# Altium PCB A8_multiple.PcbDoc (part 9 of 10)
Units mm, origin at the board's own origin, x right, y up, seen from the top; angles counter-clockwise.
Board outline 140 x 140 mm, 2 copper layers (Top Layer, Bottom Layer); 80 components, 0 nets, 928 pads, 160 vias.
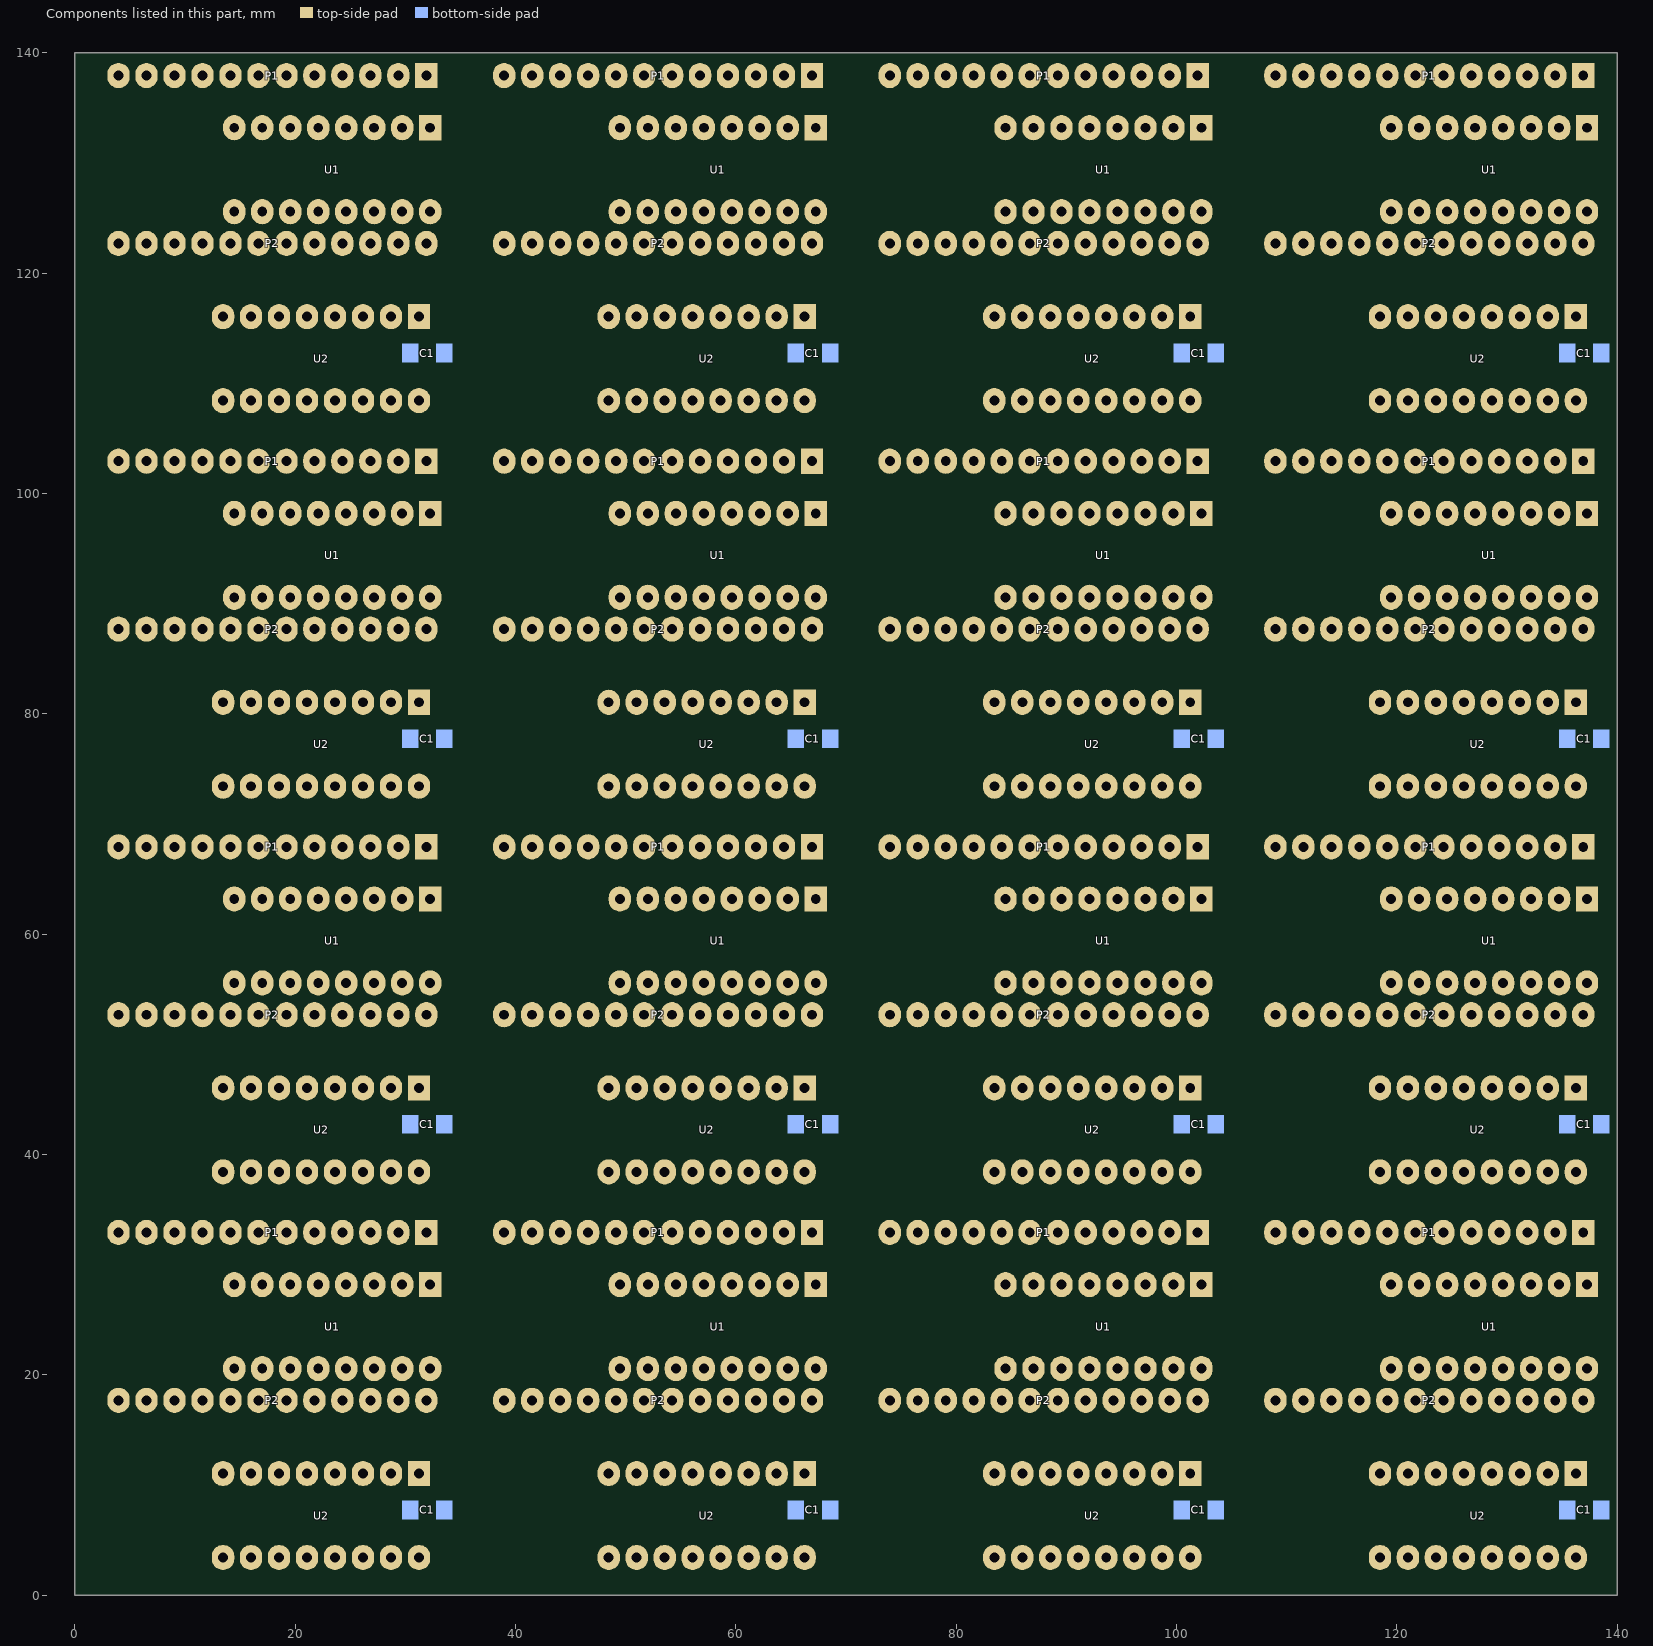
[diagram p9: the components of this part, seen from the top]

## Polygon pours and split planes (outlines as drawn) (continued)
no net on Bottom Layer "Top Layer-No Net 1" (solid, remove dead copper, pour order 20): 112.518,52.653 112.518,53.72 111.401,54.837 111.274,54.964 111.274,56.387 111.274,56.869 112.137,57.733 111.985,57.885 111.883,57.885 111.604,57.885 110.486,56.768 110.512,56.742 110.512,52.729
no net on Bottom Layer "Top Layer-No Net 1" (solid, remove dead copper, pour order 18): 111.299,58.165 111.655,58.52 114.296,58.52 114.296,58.901 113.712,59.486 113.433,59.765 111.68,59.765 111.68,59.587 111.096,59.003
no net on Bottom Layer "Top Layer-No Net 1" (solid, remove dead copper, pour order 16): 23 vertices, not listed, extent 108.226,57.301 110.664,64.845
no net on Bottom Layer "Top Layer-No Net 1" (solid, remove dead copper, pour order 14): 24 vertices, not listed, extent 105.686,57.123 109.978,69.061
no net on Bottom Layer "Top Layer-No Net 1" (solid, remove dead copper, pour order 12): 26 vertices, not listed, extent 110.512,57.276 116.252,67.944
no net on Bottom Layer "Top Layer-No Net 1" (solid, remove dead copper, pour order 10): 19 vertices, not listed, extent 112.264,60.756 114.855,68.172
no net on Bottom Layer "Top Layer-No Net 1" (solid, remove dead copper, pour order 8): 26 vertices, not listed, extent 118.411,62.076 126.311,66.344
no net on Bottom Layer "Top Layer-No Net 1" (solid, remove dead copper, pour order 6): 18 vertices, not listed, extent 133.702,63.829 138.122,67.969
no net on Bottom Layer "Top Layer-No Net 1" (solid, remove dead copper, pour order 4): 131.213,62.94 131.213,62.127 132.457,60.883 132.483,60.857 134.54,60.857 134.54,61.238 134.489,61.289 133.804,61.289 133.321,61.772 133.169,61.924 133.169,63.245 131.772,63.245 131.619,63.397
no net on Bottom Layer "Top Layer-No Net 1" (solid, remove dead copper, pour order 2): 126.946,66.267 126.057,67.156 126.057,67.918 127.657,67.918 127.758,68.02 127.758,64.489 127.835,64.413 128.114,64.134 128.114,63.143 127.581,63.143 126.971,63.753 126.844,63.88 126.844,64.997 126.844,65.15 127.022,65.328
no net on Bottom Layer "Top Layer-No Net 1" (solid, pour order 116): 70.686,42.417 70.686,55.549 70.914,55.777 70.965,55.726 70.965,54.71 70.965,41.782 71.092,41.655
no net on Bottom Layer "Top Layer-No Net 1" (solid, pour order 114): 77.442,35.686 76.731,35.686 75.817,36.6 70.686,41.731 70.686,42.417 71.041,42.417 72.235,41.223 77.493,35.965 77.645,35.965
no net on Bottom Layer "Top Layer-No Net 1" (solid, pour order 112): 91.082,63.143 91.082,63.829 91.641,64.388 91.819,64.566 91.819,64.794 91.819,66.953 91.539,67.233 92.504,66.267 92.504,65.836 92.581,65.759 92.581,63.143
no net on Bottom Layer "Top Layer-No Net 1" (solid, pour order 110): 88.136,66.191 88.72,66.191 88.999,66.471 89.736,67.207 89.736,67.283 89.609,67.283 88.974,67.918 88.263,67.207 88.263,66.623 88.263,66.572 88.009,66.318
no net on Bottom Layer "Top Layer-No Net 1" (solid, pour order 108): 84.554,66.09 85.011,66.09 85.596,66.674 85.672,66.75 85.672,67.969 87.678,67.969 87.678,67.36 87.196,66.877 86.104,65.785 85.85,65.785
no net on Bottom Layer "Top Layer-No Net 1" (solid, pour order 106): 83.487,66.674 84.427,66.674 84.859,67.106 84.554,67.41 83.919,67.41 83.589,67.41 83.462,67.283
no net on Bottom Layer "Top Layer-No Net 1" (solid, pour order 104): 80.287,65.023 82.344,67.08 82.344,67.41 81.989,67.41 81.595,67.804 80.592,66.801 80.592,66.115 80.592,66.039 80.135,65.582 80.084,65.531 80.084,65.023
no net on Bottom Layer "Top Layer-No Net 1" (solid, pour order 102): 97.686,38.404 97.686,41.248 96.238,42.696 96.111,42.823 96.111,43.077 96.67,43.077 98.905,40.842 99.718,40.029 99.718,38.378
no net on Bottom Layer "Top Layer-No Net 1" (solid, pour order 100): 95.171,38.429 95.171,41.147 94.663,41.655 94.181,42.137 94.181,42.315 95.4,42.315 96.695,41.02 97.178,40.537 97.178,38.378
no net on Bottom Layer "Top Layer-No Net 1" (solid, pour order 98): 92.631,38.48 92.631,40.334 91.717,41.248 92.022,41.553 92.2,41.553 92.86,41.553 93.597,41.553 94.333,40.817 94.638,40.512 94.638,38.429
no net on Bottom Layer "Top Layer-No Net 1" (solid, pour order 96): 20 vertices, not listed, extent 83.386,38.454 92.098,41.274
no net on Bottom Layer "Top Layer-No Net 1" (solid, pour order 94): 100.353,41.909 98.753,41.909 96.848,43.814 97.229,44.195 97.457,44.195 99.083,44.195 99.87,43.407 100.099,43.179 100.48,43.179
no net on Bottom Layer "Top Layer-No Net 1" (solid, pour order 92): 33 vertices, not listed, extent 100.226,36.676 104.138,57.657
no net on Bottom Layer "Top Layer-No Net 1" (solid, pour order 90): 100.226,46.074 100.226,48.64 99.82,49.046 98.702,50.164 98.702,50.748 98.702,51.332 98.55,51.485 98.346,51.688 98.346,52.729 100.378,52.729 100.378,50.977 101.115,50.24 102.258,49.097 102.258,45.414
no net on Bottom Layer "Top Layer-No Net 1" (solid, pour order 88): 97.737,51.18 98.118,50.799 98.118,50.392 98.118,49.707 98.473,49.351 97.838,49.986 97.559,49.986
no net on Bottom Layer "Top Layer-No Net 1" (solid, pour order 86): 97.686,45.998 97.686,49.529 97.356,49.859 97.33,49.884 97.33,50.469 95.832,51.967 95.832,52.729 97.838,52.729 97.838,50.215 98.931,49.122 99.718,48.335 99.718,46.024
no net on Bottom Layer "Top Layer-No Net 1" (solid, pour order 84): 95.146,46.049 95.146,47.878 94.968,48.056 94.46,48.564 94.46,50.037 94.46,50.215 95.298,51.053 96.111,51.053 96.441,50.723 96.873,50.291 96.873,50.265 96.873,49.757 97.076,49.554 97.178,49.453 97.178,46.074
no net on Bottom Layer "Top Layer-No Net 1" (solid, pour order 82): 17 vertices, not listed, extent 92.606,45.998 95.324,53.415
no net on Bottom Layer "Top Layer-No Net 1" (solid, pour order 80): 90.752,52.678 90.752,49.91 90.853,49.808 90.955,49.707 90.955,48.36 90.955,47.878 90.472,47.395 90.066,46.989 90.066,45.998 92.098,45.998 92.098,50.469 92.631,51.002 92.758,51.129 92.758,52.729
no net on Bottom Layer "Top Layer-No Net 1" (solid, pour order 78): 28 vertices, not listed, extent 82.446,43.611 90.549,49.681
no net on Bottom Layer "Top Layer-No Net 1" (solid, pour order 76): 87.272,50.519 88.212,51.459 88.212,52.577 90.041,52.577 90.218,52.755 90.218,51.256 89.406,50.443 89.075,50.113 88.161,50.113 87.729,50.113 87.196,49.58 86.383,48.767 85.85,48.767 85.85,48.995 85.799,49.046
no net on Bottom Layer "Top Layer-No Net 1" (solid, pour order 74): 85.672,52.704 85.672,51.078 85.215,50.621 84.605,50.011 84.605,49.656 85.494,49.656 87.196,51.358 87.678,51.84 87.678,52.78
no net on Bottom Layer "Top Layer-No Net 1" (solid, pour order 72): 82.446,50.646 83.132,51.332 83.132,52.805 85.113,52.805 85.138,52.78 85.138,51.383 84.961,51.205 84.173,50.418 82.598,50.418
no net on Bottom Layer "Top Layer-No Net 1" (solid, pour order 70): 82.598,52.729 82.598,51.383 81.582,50.367 81.151,49.935 80.668,49.935 80.643,49.961 80.643,52.78
no net on Bottom Layer "Top Layer-No Net 1" (solid, pour order 68): 83.462,37.311 82.522,37.311 80.998,38.835 76.909,42.925 76.909,43.306 76.985,43.23 77.823,43.23 78.687,43.23 79.22,42.696 81.354,40.563 82.776,40.563 83.36,40.563 84.199,39.724 84.478,39.445 84.478,38.429
no net on Bottom Layer "Top Layer-No Net 1" (solid, pour order 66): 78.687,36.524 78.001,36.524 77.874,36.651 72.057,42.468 72.057,43.128 74.191,40.994 78.407,36.778 78.788,36.778
no net on Bottom Layer "Top Layer-No Net 1" (solid, pour order 64): 84.986,38.404 84.986,37.438 84.3,36.753 84.605,36.448 85.265,36.448 86.104,36.448 86.535,36.88 87.018,37.362 87.018,38.454
no net on Bottom Layer "Top Layer-No Net 1" (solid, pour order 62): 87.526,38.454 87.526,36.829 86.942,36.245 86.688,35.991 86.332,35.991 86.332,35.965 86.612,35.686 88.263,35.686 89.482,36.905 89.558,36.981 89.558,38.454
no net on Bottom Layer "Top Layer-No Net 1" (solid, pour order 60): 70.686,54.152 70.686,55.701 71.422,56.438 72.819,56.438 73.48,57.098 73.556,57.022 73.556,56.869
no net on Bottom Layer "Top Layer-No Net 1" (solid, pour order 58): 73.433,45.033 73.785,45.033 74.115,45.363 73.734,45.744 73.734,45.77 73.404,45.77 73.099,45.465
no net on Bottom Layer "Top Layer-No Net 1" (solid, remove dead copper, pour order 56): 17 vertices, not listed, extent 72.616,45.033 74.928,55.549
no net on Bottom Layer "Top Layer-No Net 1" (solid, remove dead copper, pour order 54): 78.484,47.649 78.484,44.169 77.976,43.661 77.569,43.661 76.96,44.271 75.715,45.516 75.715,48.208 78.484,48.208
no net on Bottom Layer "Top Layer-No Net 1" (solid, remove dead copper, pour order 52): 24 vertices, not listed, extent 75.715,46.836 80.058,57.047
no net on Bottom Layer "Top Layer-No Net 1" (solid, remove dead copper, pour order 50): 96.721,65.886 97.432,65.175 97.889,65.175 97.94,65.175 98.575,64.54 98.778,64.743 99.337,64.743 99.337,64.947 97.737,66.547 97.711,66.521 96.594,66.521
no net on Bottom Layer "Top Layer-No Net 1" (solid, remove dead copper, pour order 48): 97.991,65.886 96.721,65.886 96.238,66.369 95.832,66.775 95.832,67.868 97.508,67.868 97.711,68.071 97.737,68.045 97.737,66.547 97.737,66.344 98.169,65.912
no net on Bottom Layer "Top Layer-No Net 1" (solid, remove dead copper, pour order 46): 95.654,63.194 95.654,65.886 95.324,66.217 95.298,66.242 95.298,67.868 93.393,67.868 93.317,67.944 93.317,64.997 93.597,64.718 93.622,64.693 93.622,63.169
no net on Bottom Layer "Top Layer-No Net 1" (solid, remove dead copper, pour order 44): 101.267,69.061 102.918,69.061 104.315,67.664 104.315,64.388 104.163,64.388 103.96,64.591 101.267,67.283 101.242,67.283
no net on Bottom Layer "Top Layer-No Net 1" (solid, remove dead copper, pour order 42): 75.512,66.852 75.512,65.378 76.045,64.845 76.426,64.464 76.426,66.09 76.579,66.242 76.655,66.318 76.655,67.283 75.715,67.283 75.512,67.487
no net on Bottom Layer "Top Layer-No Net 1" (solid, pour order 40): 74.978,66.572 74.978,65.734 74.724,65.48 74.623,65.378 73.505,65.378 73.505,66.318 73.962,66.775
no net on Bottom Layer "Top Layer-No Net 1" (solid, remove dead copper, pour order 38): 98.727,55.498 98.727,57.86 98.169,58.419 96.568,60.019 96.568,60.375 96.975,59.968 98.499,59.968 98.778,59.968 99.87,58.876 100.709,58.038 100.709,55.498
no net on Bottom Layer "Top Layer-No Net 1" (solid, remove dead copper, pour order 36): 96.162,55.523 96.162,58.52 94.994,59.689 94.257,60.425 94.028,60.425 94.028,60.679 94.079,60.73 94.968,60.73 96.899,58.8 98.194,57.504 98.194,55.447
no net on Bottom Layer "Top Layer-No Net 1" (solid, remove dead copper, pour order 34): 93.622,55.549 93.622,58.546 92.885,59.282 92.504,59.663 92.2,59.663 92.301,59.663 92.606,59.968 93.698,59.968 94.689,58.978 95.654,58.012 95.654,55.549
no net on Bottom Layer "Top Layer-No Net 1" (solid, remove dead copper, pour order 32): 91.082,55.549 91.082,58.089 90.32,58.851 90.269,58.901 90.269,59.206 91.869,59.206 92.835,58.241 93.114,57.962 93.114,55.625
no net on Bottom Layer "Top Layer-No Net 1" (solid, remove dead copper, pour order 30): 88.542,55.523 88.542,57.301 88.034,57.809 87.577,58.266 87.272,58.266 87.348,58.266 87.526,58.444 89.609,58.444 90.142,57.911 90.574,57.479 90.574,55.599
no net on Bottom Layer "Top Layer-No Net 1" (solid, remove dead copper, pour order 28): 86.027,55.599 86.027,56.692 85.367,57.352 85.672,57.657 85.697,57.657 86.993,57.657 87.678,56.971 88.034,56.615 88.034,55.701
no net on Bottom Layer "Top Layer-No Net 1" (solid, remove dead copper, pour order 26): 84.605,54.456 83.64,54.456 83.03,55.066 82.7,55.396 81.659,55.396 81.074,55.396 79.804,56.666 79.931,56.793 84.3,56.793 84.808,56.793 85.215,56.387 85.088,56.26 85.088,55.218
no net on Bottom Layer "Top Layer-No Net 1" (solid, remove dead copper, pour order 24): 75.842,49.199 75.766,49.122 75.486,49.122 75.512,49.148 75.512,50.011 76.299,50.011 76.553,50.265
no net on Bottom Layer "Top Layer-No Net 1" (solid, remove dead copper, pour order 22): 77.518,52.836 77.518,50.748 76.477,49.707 76.375,49.605 75.817,49.605 75.664,49.453 75.207,48.995 75.207,48.97 75.512,49.275 75.512,50.342 75.512,52.602 75.867,52.958
no net on Bottom Layer "Top Layer-No Net 1" (solid, remove dead copper, pour order 20): 77.518,52.653 77.518,53.72 76.401,54.837 76.274,54.964 76.274,56.387 76.274,56.869 77.137,57.733 76.985,57.885 76.883,57.885 76.604,57.885 75.486,56.768 75.512,56.742 75.512,52.729
no net on Bottom Layer "Top Layer-No Net 1" (solid, remove dead copper, pour order 18): 76.299,58.165 76.655,58.52 79.296,58.52 79.296,58.901 78.712,59.486 78.433,59.765 76.68,59.765 76.68,59.587 76.096,59.003
no net on Bottom Layer "Top Layer-No Net 1" (solid, remove dead copper, pour order 16): 23 vertices, not listed, extent 73.226,57.301 75.664,64.845
no net on Bottom Layer "Top Layer-No Net 1" (solid, remove dead copper, pour order 14): 24 vertices, not listed, extent 70.686,57.123 74.978,69.061
no net on Bottom Layer "Top Layer-No Net 1" (solid, remove dead copper, pour order 12): 26 vertices, not listed, extent 75.512,57.276 81.252,67.944
no net on Bottom Layer "Top Layer-No Net 1" (solid, remove dead copper, pour order 10): 19 vertices, not listed, extent 77.264,60.756 79.855,68.172
no net on Bottom Layer "Top Layer-No Net 1" (solid, remove dead copper, pour order 8): 26 vertices, not listed, extent 83.411,62.076 91.311,66.344
no net on Bottom Layer "Top Layer-No Net 1" (solid, remove dead copper, pour order 6): 18 vertices, not listed, extent 98.702,63.829 103.122,67.969
no net on Bottom Layer "Top Layer-No Net 1" (solid, remove dead copper, pour order 4): 96.213,62.94 96.213,62.127 97.457,60.883 97.483,60.857 99.54,60.857 99.54,61.238 99.489,61.289 98.804,61.289 98.321,61.772 98.169,61.924 98.169,63.245 96.772,63.245 96.619,63.397
no net on Bottom Layer "Top Layer-No Net 1" (solid, remove dead copper, pour order 2): 91.946,66.267 91.057,67.156 91.057,67.918 92.657,67.918 92.758,68.02 92.758,64.489 92.835,64.413 93.114,64.134 93.114,63.143 92.581,63.143 91.971,63.753 91.844,63.88 91.844,64.997 91.844,65.15 92.022,65.328
no net on Bottom Layer "Top Layer-No Net 1" (solid, pour order 116): 35.686,42.417 35.686,55.549 35.914,55.777 35.965,55.726 35.965,54.71 35.965,41.782 36.092,41.655
no net on Bottom Layer "Top Layer-No Net 1" (solid, pour order 114): 42.442,35.686 41.731,35.686 40.817,36.6 35.686,41.731 35.686,42.417 36.041,42.417 37.235,41.223 42.493,35.965 42.645,35.965
no net on Bottom Layer "Top Layer-No Net 1" (solid, pour order 112): 56.082,63.143 56.082,63.829 56.641,64.388 56.819,64.566 56.819,64.794 56.819,66.953 56.539,67.233 57.504,66.267 57.504,65.836 57.581,65.759 57.581,63.143
no net on Bottom Layer "Top Layer-No Net 1" (solid, pour order 110): 53.136,66.191 53.72,66.191 53.999,66.471 54.736,67.207 54.736,67.283 54.609,67.283 53.974,67.918 53.263,67.207 53.263,66.623 53.263,66.572 53.009,66.318
no net on Bottom Layer "Top Layer-No Net 1" (solid, pour order 108): 49.554,66.09 50.011,66.09 50.596,66.674 50.672,66.75 50.672,67.969 52.678,67.969 52.678,67.36 52.196,66.877 51.104,65.785 50.85,65.785
no net on Bottom Layer "Top Layer-No Net 1" (solid, pour order 106): 48.487,66.674 49.427,66.674 49.859,67.106 49.554,67.41 48.919,67.41 48.589,67.41 48.462,67.283
no net on Bottom Layer "Top Layer-No Net 1" (solid, pour order 104): 45.287,65.023 47.344,67.08 47.344,67.41 46.989,67.41 46.595,67.804 45.592,66.801 45.592,66.115 45.592,66.039 45.135,65.582 45.084,65.531 45.084,65.023
no net on Bottom Layer "Top Layer-No Net 1" (solid, pour order 102): 62.686,38.404 62.686,41.248 61.238,42.696 61.111,42.823 61.111,43.077 61.67,43.077 63.905,40.842 64.718,40.029 64.718,38.378
no net on Bottom Layer "Top Layer-No Net 1" (solid, pour order 100): 60.171,38.429 60.171,41.147 59.663,41.655 59.181,42.137 59.181,42.315 60.4,42.315 61.695,41.02 62.178,40.537 62.178,38.378
no net on Bottom Layer "Top Layer-No Net 1" (solid, pour order 98): 57.631,38.48 57.631,40.334 56.717,41.248 57.022,41.553 57.2,41.553 57.86,41.553 58.597,41.553 59.333,40.817 59.638,40.512 59.638,38.429
no net on Bottom Layer "Top Layer-No Net 1" (solid, pour order 96): 20 vertices, not listed, extent 48.386,38.454 57.098,41.274
no net on Bottom Layer "Top Layer-No Net 1" (solid, pour order 94): 65.353,41.909 63.753,41.909 61.848,43.814 62.229,44.195 62.457,44.195 64.083,44.195 64.87,43.407 65.099,43.179 65.48,43.179
no net on Bottom Layer "Top Layer-No Net 1" (solid, pour order 92): 33 vertices, not listed, extent 65.226,36.676 69.138,57.657
no net on Bottom Layer "Top Layer-No Net 1" (solid, pour order 90): 65.226,46.074 65.226,48.64 64.82,49.046 63.702,50.164 63.702,50.748 63.702,51.332 63.55,51.485 63.346,51.688 63.346,52.729 65.378,52.729 65.378,50.977 66.115,50.24 67.258,49.097 67.258,45.414
no net on Bottom Layer "Top Layer-No Net 1" (solid, pour order 88): 62.737,51.18 63.118,50.799 63.118,50.392 63.118,49.707 63.473,49.351 62.838,49.986 62.559,49.986
no net on Bottom Layer "Top Layer-No Net 1" (solid, pour order 86): 62.686,45.998 62.686,49.529 62.356,49.859 62.33,49.884 62.33,50.469 60.832,51.967 60.832,52.729 62.838,52.729 62.838,50.215 63.931,49.122 64.718,48.335 64.718,46.024
no net on Bottom Layer "Top Layer-No Net 1" (solid, pour order 84): 60.146,46.049 60.146,47.878 59.968,48.056 59.46,48.564 59.46,50.037 59.46,50.215 60.298,51.053 61.111,51.053 61.441,50.723 61.873,50.291 61.873,50.265 61.873,49.757 62.076,49.554 62.178,49.453 62.178,46.074
no net on Bottom Layer "Top Layer-No Net 1" (solid, pour order 82): 17 vertices, not listed, extent 57.606,45.998 60.324,53.415
no net on Bottom Layer "Top Layer-No Net 1" (solid, pour order 80): 55.752,52.678 55.752,49.91 55.853,49.808 55.955,49.707 55.955,48.36 55.955,47.878 55.472,47.395 55.066,46.989 55.066,45.998 57.098,45.998 57.098,50.469 57.631,51.002 57.758,51.129 57.758,52.729
no net on Bottom Layer "Top Layer-No Net 1" (solid, pour order 78): 28 vertices, not listed, extent 47.446,43.611 55.549,49.681
no net on Bottom Layer "Top Layer-No Net 1" (solid, pour order 76): 52.272,50.519 53.212,51.459 53.212,52.577 55.041,52.577 55.218,52.755 55.218,51.256 54.406,50.443 54.075,50.113 53.161,50.113 52.729,50.113 52.196,49.58 51.383,48.767 50.85,48.767 50.85,48.995 50.799,49.046
no net on Bottom Layer "Top Layer-No Net 1" (solid, pour order 74): 50.672,52.704 50.672,51.078 50.215,50.621 49.605,50.011 49.605,49.656 50.494,49.656 52.196,51.358 52.678,51.84 52.678,52.78
no net on Bottom Layer "Top Layer-No Net 1" (solid, pour order 72): 47.446,50.646 48.132,51.332 48.132,52.805 50.113,52.805 50.138,52.78 50.138,51.383 49.961,51.205 49.173,50.418 47.598,50.418
no net on Bottom Layer "Top Layer-No Net 1" (solid, pour order 70): 47.598,52.729 47.598,51.383 46.582,50.367 46.151,49.935 45.668,49.935 45.643,49.961 45.643,52.78
no net on Bottom Layer "Top Layer-No Net 1" (solid, pour order 68): 48.462,37.311 47.522,37.311 45.998,38.835 41.909,42.925 41.909,43.306 41.985,43.23 42.823,43.23 43.687,43.23 44.22,42.696 46.354,40.563 47.776,40.563 48.36,40.563 49.199,39.724 49.478,39.445 49.478,38.429
no net on Bottom Layer "Top Layer-No Net 1" (solid, pour order 66): 43.687,36.524 43.001,36.524 42.874,36.651 37.057,42.468 37.057,43.128 39.191,40.994 43.407,36.778 43.788,36.778
no net on Bottom Layer "Top Layer-No Net 1" (solid, pour order 64): 49.986,38.404 49.986,37.438 49.3,36.753 49.605,36.448 50.265,36.448 51.104,36.448 51.535,36.88 52.018,37.362 52.018,38.454
no net on Bottom Layer "Top Layer-No Net 1" (solid, pour order 62): 52.526,38.454 52.526,36.829 51.942,36.245 51.688,35.991 51.332,35.991 51.332,35.965 51.612,35.686 53.263,35.686 54.482,36.905 54.558,36.981 54.558,38.454
no net on Bottom Layer "Top Layer-No Net 1" (solid, pour order 60): 35.686,54.152 35.686,55.701 36.422,56.438 37.819,56.438 38.48,57.098 38.556,57.022 38.556,56.869
no net on Bottom Layer "Top Layer-No Net 1" (solid, pour order 58): 38.433,45.033 38.785,45.033 39.115,45.363 38.734,45.744 38.734,45.77 38.404,45.77 38.099,45.465
no net on Bottom Layer "Top Layer-No Net 1" (solid, remove dead copper, pour order 56): 17 vertices, not listed, extent 37.616,45.033 39.928,55.549
no net on Bottom Layer "Top Layer-No Net 1" (solid, remove dead copper, pour order 54): 43.484,47.649 43.484,44.169 42.976,43.661 42.569,43.661 41.96,44.271 40.715,45.516 40.715,48.208 43.484,48.208
no net on Bottom Layer "Top Layer-No Net 1" (solid, remove dead copper, pour order 52): 24 vertices, not listed, extent 40.715,46.836 45.058,57.047
no net on Bottom Layer "Top Layer-No Net 1" (solid, remove dead copper, pour order 50): 61.721,65.886 62.432,65.175 62.889,65.175 62.94,65.175 63.575,64.54 63.778,64.743 64.337,64.743 64.337,64.947 62.737,66.547 62.711,66.521 61.594,66.521
no net on Bottom Layer "Top Layer-No Net 1" (solid, remove dead copper, pour order 48): 62.991,65.886 61.721,65.886 61.238,66.369 60.832,66.775 60.832,67.868 62.508,67.868 62.711,68.071 62.737,68.045 62.737,66.547 62.737,66.344 63.169,65.912
no net on Bottom Layer "Top Layer-No Net 1" (solid, remove dead copper, pour order 46): 60.654,63.194 60.654,65.886 60.324,66.217 60.298,66.242 60.298,67.868 58.393,67.868 58.317,67.944 58.317,64.997 58.597,64.718 58.622,64.693 58.622,63.169
no net on Bottom Layer "Top Layer-No Net 1" (solid, remove dead copper, pour order 44): 66.267,69.061 67.918,69.061 69.315,67.664 69.315,64.388 69.163,64.388 68.96,64.591 66.267,67.283 66.242,67.283
no net on Bottom Layer "Top Layer-No Net 1" (solid, remove dead copper, pour order 42): 40.512,66.852 40.512,65.378 41.045,64.845 41.426,64.464 41.426,66.09 41.579,66.242 41.655,66.318 41.655,67.283 40.715,67.283 40.512,67.487
no net on Bottom Layer "Top Layer-No Net 1" (solid, pour order 40): 39.978,66.572 39.978,65.734 39.724,65.48 39.623,65.378 38.505,65.378 38.505,66.318 38.962,66.775
no net on Bottom Layer "Top Layer-No Net 1" (solid, remove dead copper, pour order 38): 63.727,55.498 63.727,57.86 63.169,58.419 61.568,60.019 61.568,60.375 61.975,59.968 63.499,59.968 63.778,59.968 64.87,58.876 65.709,58.038 65.709,55.498
no net on Bottom Layer "Top Layer-No Net 1" (solid, remove dead copper, pour order 36): 61.162,55.523 61.162,58.52 59.994,59.689 59.257,60.425 59.028,60.425 59.028,60.679 59.079,60.73 59.968,60.73 61.899,58.8 63.194,57.504 63.194,55.447
no net on Bottom Layer "Top Layer-No Net 1" (solid, remove dead copper, pour order 34): 58.622,55.549 58.622,58.546 57.885,59.282 57.504,59.663 57.2,59.663 57.301,59.663 57.606,59.968 58.698,59.968 59.689,58.978 60.654,58.012 60.654,55.549
no net on Bottom Layer "Top Layer-No Net 1" (solid, remove dead copper, pour order 32): 56.082,55.549 56.082,58.089 55.32,58.851 55.269,58.901 55.269,59.206 56.869,59.206 57.835,58.241 58.114,57.962 58.114,55.625
no net on Bottom Layer "Top Layer-No Net 1" (solid, remove dead copper, pour order 30): 53.542,55.523 53.542,57.301 53.034,57.809 52.577,58.266 52.272,58.266 52.348,58.266 52.526,58.444 54.609,58.444 55.142,57.911 55.574,57.479 55.574,55.599
no net on Bottom Layer "Top Layer-No Net 1" (solid, remove dead copper, pour order 28): 51.027,55.599 51.027,56.692 50.367,57.352 50.672,57.657 50.697,57.657 51.993,57.657 52.678,56.971 53.034,56.615 53.034,55.701
no net on Bottom Layer "Top Layer-No Net 1" (solid, remove dead copper, pour order 26): 49.605,54.456 48.64,54.456 48.03,55.066 47.7,55.396 46.659,55.396 46.074,55.396 44.804,56.666 44.931,56.793 49.3,56.793 49.808,56.793 50.215,56.387 50.088,56.26 50.088,55.218
no net on Bottom Layer "Top Layer-No Net 1" (solid, remove dead copper, pour order 24): 40.842,49.199 40.766,49.122 40.486,49.122 40.512,49.148 40.512,50.011 41.299,50.011 41.553,50.265
no net on Bottom Layer "Top Layer-No Net 1" (solid, remove dead copper, pour order 22): 42.518,52.836 42.518,50.748 41.477,49.707 41.375,49.605 40.817,49.605 40.664,49.453 40.207,48.995 40.207,48.97 40.512,49.275 40.512,50.342 40.512,52.602 40.867,52.958
no net on Bottom Layer "Top Layer-No Net 1" (solid, remove dead copper, pour order 20): 42.518,52.653 42.518,53.72 41.401,54.837 41.274,54.964 41.274,56.387 41.274,56.869 42.137,57.733 41.985,57.885 41.883,57.885 41.604,57.885 40.486,56.768 40.512,56.742 40.512,52.729
no net on Bottom Layer "Top Layer-No Net 1" (solid, remove dead copper, pour order 18): 41.299,58.165 41.655,58.52 44.296,58.52 44.296,58.901 43.712,59.486 43.433,59.765 41.68,59.765 41.68,59.587 41.096,59.003
no net on Bottom Layer "Top Layer-No Net 1" (solid, remove dead copper, pour order 16): 23 vertices, not listed, extent 38.226,57.301 40.664,64.845
no net on Bottom Layer "Top Layer-No Net 1" (solid, remove dead copper, pour order 14): 24 vertices, not listed, extent 35.686,57.123 39.978,69.061
no net on Bottom Layer "Top Layer-No Net 1" (solid, remove dead copper, pour order 12): 26 vertices, not listed, extent 40.512,57.276 46.252,67.944
no net on Bottom Layer "Top Layer-No Net 1" (solid, remove dead copper, pour order 10): 19 vertices, not listed, extent 42.264,60.756 44.855,68.172
no net on Bottom Layer "Top Layer-No Net 1" (solid, remove dead copper, pour order 8): 26 vertices, not listed, extent 48.411,62.076 56.311,66.344
no net on Bottom Layer "Top Layer-No Net 1" (solid, remove dead copper, pour order 6): 18 vertices, not listed, extent 63.702,63.829 68.122,67.969
no net on Bottom Layer "Top Layer-No Net 1" (solid, remove dead copper, pour order 4): 61.213,62.94 61.213,62.127 62.457,60.883 62.483,60.857 64.54,60.857 64.54,61.238 64.489,61.289 63.804,61.289 63.321,61.772 63.169,61.924 63.169,63.245 61.772,63.245 61.619,63.397
no net on Bottom Layer "Top Layer-No Net 1" (solid, remove dead copper, pour order 2): 56.946,66.267 56.057,67.156 56.057,67.918 57.657,67.918 57.758,68.02 57.758,64.489 57.835,64.413 58.114,64.134 58.114,63.143 57.581,63.143 56.971,63.753 56.844,63.88 56.844,64.997 56.844,65.15 57.022,65.328
no net on Bottom Layer "Top Layer-No Net 1" (solid, pour order 116): 0.686,42.417 0.686,55.549 0.914,55.777 0.965,55.726 0.965,54.71 0.965,41.782 1.092,41.655
no net on Bottom Layer "Top Layer-No Net 1" (solid, pour order 114): 7.442,35.686 6.731,35.686 5.817,36.6 0.686,41.731 0.686,42.417 1.041,42.417 2.235,41.223 7.493,35.965 7.645,35.965
no net on Bottom Layer "Top Layer-No Net 1" (solid, pour order 112): 21.082,63.143 21.082,63.829 21.641,64.388 21.819,64.566 21.819,64.794 21.819,66.953 21.539,67.233 22.504,66.267 22.504,65.836 22.581,65.759 22.581,63.143
no net on Bottom Layer "Top Layer-No Net 1" (solid, pour order 110): 18.136,66.191 18.72,66.191 18.999,66.471 19.736,67.207 19.736,67.283 19.609,67.283 18.974,67.918 18.263,67.207 18.263,66.623 18.263,66.572 18.009,66.318
no net on Bottom Layer "Top Layer-No Net 1" (solid, pour order 108): 14.554,66.09 15.011,66.09 15.596,66.674 15.672,66.75 15.672,67.969 17.678,67.969 17.678,67.36 17.196,66.877 16.104,65.785 15.85,65.785
no net on Bottom Layer "Top Layer-No Net 1" (solid, pour order 106): 13.487,66.674 14.427,66.674 14.859,67.106 14.554,67.41 13.919,67.41 13.589,67.41 13.462,67.283
no net on Bottom Layer "Top Layer-No Net 1" (solid, pour order 104): 10.287,65.023 12.344,67.08 12.344,67.41 11.989,67.41 11.595,67.804 10.592,66.801 10.592,66.115 10.592,66.039 10.135,65.582 10.084,65.531 10.084,65.023
no net on Bottom Layer "Top Layer-No Net 1" (solid, pour order 102): 27.686,38.404 27.686,41.248 26.238,42.696 26.111,42.823 26.111,43.077 26.67,43.077 28.905,40.842 29.718,40.029 29.718,38.378
no net on Bottom Layer "Top Layer-No Net 1" (solid, pour order 100): 25.171,38.429 25.171,41.147 24.663,41.655 24.181,42.137 24.181,42.315 25.4,42.315 26.695,41.02 27.178,40.537 27.178,38.378
no net on Bottom Layer "Top Layer-No Net 1" (solid, pour order 98): 22.631,38.48 22.631,40.334 21.717,41.248 22.022,41.553 22.2,41.553 22.86,41.553 23.597,41.553 24.333,40.817 24.638,40.512 24.638,38.429
no net on Bottom Layer "Top Layer-No Net 1" (solid, pour order 96): 20 vertices, not listed, extent 13.386,38.454 22.098,41.274
no net on Bottom Layer "Top Layer-No Net 1" (solid, pour order 94): 30.353,41.909 28.753,41.909 26.848,43.814 27.229,44.195 27.457,44.195 29.083,44.195 29.87,43.407 30.099,43.179 30.48,43.179
no net on Bottom Layer "Top Layer-No Net 1" (solid, pour order 92): 33 vertices, not listed, extent 30.226,36.676 34.138,57.657
no net on Bottom Layer "Top Layer-No Net 1" (solid, pour order 90): 30.226,46.074 30.226,48.64 29.82,49.046 28.702,50.164 28.702,50.748 28.702,51.332 28.55,51.485 28.346,51.688 28.346,52.729 30.378,52.729 30.378,50.977 31.115,50.24 32.258,49.097 32.258,45.414
no net on Bottom Layer "Top Layer-No Net 1" (solid, pour order 88): 27.737,51.18 28.118,50.799 28.118,50.392 28.118,49.707 28.473,49.351 27.838,49.986 27.559,49.986
no net on Bottom Layer "Top Layer-No Net 1" (solid, pour order 86): 27.686,45.998 27.686,49.529 27.356,49.859 27.33,49.884 27.33,50.469 25.832,51.967 25.832,52.729 27.838,52.729 27.838,50.215 28.931,49.122 29.718,48.335 29.718,46.024
no net on Bottom Layer "Top Layer-No Net 1" (solid, pour order 84): 25.146,46.049 25.146,47.878 24.968,48.056 24.46,48.564 24.46,50.037 24.46,50.215 25.298,51.053 26.111,51.053 26.441,50.723 26.873,50.291 26.873,50.265 26.873,49.757 27.076,49.554 27.178,49.453 27.178,46.074
no net on Bottom Layer "Top Layer-No Net 1" (solid, pour order 82): 17 vertices, not listed, extent 22.606,45.998 25.324,53.415
no net on Bottom Layer "Top Layer-No Net 1" (solid, pour order 80): 20.752,52.678 20.752,49.91 20.853,49.808 20.955,49.707 20.955,48.36 20.955,47.878 20.472,47.395 20.066,46.989 20.066,45.998 22.098,45.998 22.098,50.469 22.631,51.002 22.758,51.129 22.758,52.729
no net on Bottom Layer "Top Layer-No Net 1" (solid, pour order 78): 28 vertices, not listed, extent 12.446,43.611 20.549,49.681
no net on Bottom Layer "Top Layer-No Net 1" (solid, pour order 76): 17.272,50.519 18.212,51.459 18.212,52.577 20.041,52.577 20.218,52.755 20.218,51.256 19.406,50.443 19.075,50.113 18.161,50.113 17.729,50.113 17.196,49.58 16.383,48.767 15.85,48.767 15.85,48.995 15.799,49.046
no net on Bottom Layer "Top Layer-No Net 1" (solid, pour order 74): 15.672,52.704 15.672,51.078 15.215,50.621 14.605,50.011 14.605,49.656 15.494,49.656 17.196,51.358 17.678,51.84 17.678,52.78
no net on Bottom Layer "Top Layer-No Net 1" (solid, pour order 72): 12.446,50.646 13.132,51.332 13.132,52.805 15.113,52.805 15.138,52.78 15.138,51.383 14.961,51.205 14.173,50.418 12.598,50.418
no net on Bottom Layer "Top Layer-No Net 1" (solid, pour order 70): 12.598,52.729 12.598,51.383 11.582,50.367 11.151,49.935 10.668,49.935 10.643,49.961 10.643,52.78
no net on Bottom Layer "Top Layer-No Net 1" (solid, pour order 68): 13.462,37.311 12.522,37.311 10.998,38.835 6.909,42.925 6.909,43.306 6.985,43.23 7.823,43.23 8.687,43.23 9.22,42.696 11.354,40.563 12.776,40.563 13.36,40.563 14.199,39.724 14.478,39.445 14.478,38.429
no net on Bottom Layer "Top Layer-No Net 1" (solid, pour order 66): 8.687,36.524 8.001,36.524 7.874,36.651 2.057,42.468 2.057,43.128 4.191,40.994 8.407,36.778 8.788,36.778
no net on Bottom Layer "Top Layer-No Net 1" (solid, pour order 64): 14.986,38.404 14.986,37.438 14.3,36.753 14.605,36.448 15.265,36.448 16.104,36.448 16.535,36.88 17.018,37.362 17.018,38.454
no net on Bottom Layer "Top Layer-No Net 1" (solid, pour order 62): 17.526,38.454 17.526,36.829 16.942,36.245 16.688,35.991 16.332,35.991 16.332,35.965 16.612,35.686 18.263,35.686 19.482,36.905 19.558,36.981 19.558,38.454
no net on Bottom Layer "Top Layer-No Net 1" (solid, pour order 60): 0.686,54.152 0.686,55.701 1.422,56.438 2.819,56.438 3.48,57.098 3.556,57.022 3.556,56.869
no net on Bottom Layer "Top Layer-No Net 1" (solid, pour order 58): 3.433,45.033 3.785,45.033 4.115,45.363 3.734,45.744 3.734,45.77 3.404,45.77 3.099,45.465
no net on Bottom Layer "Top Layer-No Net 1" (solid, remove dead copper, pour order 56): 17 vertices, not listed, extent 2.616,45.033 4.928,55.549
no net on Bottom Layer "Top Layer-No Net 1" (solid, remove dead copper, pour order 54): 8.484,47.649 8.484,44.169 7.976,43.661 7.569,43.661 6.96,44.271 5.715,45.516 5.715,48.208 8.484,48.208
no net on Bottom Layer "Top Layer-No Net 1" (solid, remove dead copper, pour order 52): 24 vertices, not listed, extent 5.715,46.836 10.058,57.047
no net on Bottom Layer "Top Layer-No Net 1" (solid, remove dead copper, pour order 50): 26.721,65.886 27.432,65.175 27.889,65.175 27.94,65.175 28.575,64.54 28.778,64.743 29.337,64.743 29.337,64.947 27.737,66.547 27.711,66.521 26.594,66.521
no net on Bottom Layer "Top Layer-No Net 1" (solid, remove dead copper, pour order 48): 27.991,65.886 26.721,65.886 26.238,66.369 25.832,66.775 25.832,67.868 27.508,67.868 27.711,68.071 27.737,68.045 27.737,66.547 27.737,66.344 28.169,65.912
no net on Bottom Layer "Top Layer-No Net 1" (solid, remove dead copper, pour order 46): 25.654,63.194 25.654,65.886 25.324,66.217 25.298,66.242 25.298,67.868 23.393,67.868 23.317,67.944 23.317,64.997 23.597,64.718 23.622,64.693 23.622,63.169
no net on Bottom Layer "Top Layer-No Net 1" (solid, remove dead copper, pour order 44): 31.267,69.061 32.918,69.061 34.315,67.664 34.315,64.388 34.163,64.388 33.96,64.591 31.267,67.283 31.242,67.283
no net on Bottom Layer "Top Layer-No Net 1" (solid, remove dead copper, pour order 42): 5.512,66.852 5.512,65.378 6.045,64.845 6.426,64.464 6.426,66.09 6.579,66.242 6.655,66.318 6.655,67.283 5.715,67.283 5.512,67.487
no net on Bottom Layer "Top Layer-No Net 1" (solid, pour order 40): 4.978,66.572 4.978,65.734 4.724,65.48 4.623,65.378 3.505,65.378 3.505,66.318 3.962,66.775
no net on Bottom Layer "Top Layer-No Net 1" (solid, remove dead copper, pour order 38): 28.727,55.498 28.727,57.86 28.169,58.419 26.568,60.019 26.568,60.375 26.975,59.968 28.499,59.968 28.778,59.968 29.87,58.876 30.709,58.038 30.709,55.498
no net on Bottom Layer "Top Layer-No Net 1" (solid, remove dead copper, pour order 36): 26.162,55.523 26.162,58.52 24.994,59.689 24.257,60.425 24.028,60.425 24.028,60.679 24.079,60.73 24.968,60.73 26.899,58.8 28.194,57.504 28.194,55.447
no net on Bottom Layer "Top Layer-No Net 1" (solid, remove dead copper, pour order 34): 23.622,55.549 23.622,58.546 22.885,59.282 22.504,59.663 22.2,59.663 22.301,59.663 22.606,59.968 23.698,59.968 24.689,58.978 25.654,58.012 25.654,55.549
no net on Bottom Layer "Top Layer-No Net 1" (solid, remove dead copper, pour order 32): 21.082,55.549 21.082,58.089 20.32,58.851 20.269,58.901 20.269,59.206 21.869,59.206 22.835,58.241 23.114,57.962 23.114,55.625
no net on Bottom Layer "Top Layer-No Net 1" (solid, remove dead copper, pour order 30): 18.542,55.523 18.542,57.301 18.034,57.809 17.577,58.266 17.272,58.266 17.348,58.266 17.526,58.444 19.609,58.444 20.142,57.911 20.574,57.479 20.574,55.599
no net on Bottom Layer "Top Layer-No Net 1" (solid, remove dead copper, pour order 28): 16.027,55.599 16.027,56.692 15.367,57.352 15.672,57.657 15.697,57.657 16.993,57.657 17.678,56.971 18.034,56.615 18.034,55.701
no net on Bottom Layer "Top Layer-No Net 1" (solid, remove dead copper, pour order 26): 14.605,54.456 13.64,54.456 13.03,55.066 12.7,55.396 11.659,55.396 11.074,55.396 9.804,56.666 9.931,56.793 14.3,56.793 14.808,56.793 15.215,56.387 15.088,56.26 15.088,55.218
no net on Bottom Layer "Top Layer-No Net 1" (solid, remove dead copper, pour order 24): 5.842,49.199 5.766,49.122 5.486,49.122 5.512,49.148 5.512,50.011 6.299,50.011 6.553,50.265
no net on Bottom Layer "Top Layer-No Net 1" (solid, remove dead copper, pour order 22): 7.518,52.836 7.518,50.748 6.477,49.707 6.375,49.605 5.817,49.605 5.664,49.453 5.207,48.995 5.207,48.97 5.512,49.275 5.512,50.342 5.512,52.602 5.867,52.958
no net on Bottom Layer "Top Layer-No Net 1" (solid, remove dead copper, pour order 20): 7.518,52.653 7.518,53.72 6.401,54.837 6.274,54.964 6.274,56.387 6.274,56.869 7.137,57.733 6.985,57.885 6.883,57.885 6.604,57.885 5.486,56.768 5.512,56.742 5.512,52.729
no net on Bottom Layer "Top Layer-No Net 1" (solid, remove dead copper, pour order 18): 6.299,58.165 6.655,58.52 9.296,58.52 9.296,58.901 8.712,59.486 8.433,59.765 6.68,59.765 6.68,59.587 6.096,59.003
no net on Bottom Layer "Top Layer-No Net 1" (solid, remove dead copper, pour order 16): 23 vertices, not listed, extent 3.226,57.301 5.664,64.845
no net on Bottom Layer "Top Layer-No Net 1" (solid, remove dead copper, pour order 14): 24 vertices, not listed, extent 0.686,57.123 4.978,69.061
no net on Bottom Layer "Top Layer-No Net 1" (solid, remove dead copper, pour order 12): 26 vertices, not listed, extent 5.512,57.276 11.252,67.944
no net on Bottom Layer "Top Layer-No Net 1" (solid, remove dead copper, pour order 10): 19 vertices, not listed, extent 7.264,60.756 9.855,68.172
no net on Bottom Layer "Top Layer-No Net 1" (solid, remove dead copper, pour order 8): 26 vertices, not listed, extent 13.411,62.076 21.311,66.344
no net on Bottom Layer "Top Layer-No Net 1" (solid, remove dead copper, pour order 6): 18 vertices, not listed, extent 28.702,63.829 33.122,67.969
no net on Bottom Layer "Top Layer-No Net 1" (solid, remove dead copper, pour order 4): 26.213,62.94 26.213,62.127 27.457,60.883 27.483,60.857 29.54,60.857 29.54,61.238 29.489,61.289 28.804,61.289 28.321,61.772 28.169,61.924 28.169,63.245 26.772,63.245 26.619,63.397
no net on Bottom Layer "Top Layer-No Net 1" (solid, remove dead copper, pour order 2): 21.946,66.267 21.057,67.156 21.057,67.918 22.657,67.918 22.758,68.02 22.758,64.489 22.835,64.413 23.114,64.134 23.114,63.143 22.581,63.143 21.971,63.753 21.844,63.88 21.844,64.997 21.844,65.15 22.022,65.328
no net on Bottom Layer "Top Layer-No Net 1" (solid, pour order 116): 105.686,7.417 105.686,20.549 105.914,20.777 105.965,20.726 105.965,19.71 105.965,6.782 106.092,6.655
no net on Bottom Layer "Top Layer-No Net 1" (solid, pour order 114): 112.442,0.686 111.731,0.686 110.817,1.6 105.686,6.731 105.686,7.417 106.041,7.417 107.235,6.223 112.493,0.965 112.645,0.965
no net on Bottom Layer "Top Layer-No Net 1" (solid, pour order 112): 126.082,28.143 126.082,28.829 126.641,29.388 126.819,29.566 126.819,29.794 126.819,31.953 126.539,32.233 127.504,31.267 127.504,30.836 127.581,30.759 127.581,28.143
no net on Bottom Layer "Top Layer-No Net 1" (solid, pour order 110): 123.136,31.191 123.72,31.191 123.999,31.471 124.736,32.207 124.736,32.283 124.609,32.283 123.974,32.918 123.263,32.207 123.263,31.623 123.263,31.572 123.009,31.318
no net on Bottom Layer "Top Layer-No Net 1" (solid, pour order 108): 119.554,31.09 120.011,31.09 120.596,31.674 120.672,31.75 120.672,32.969 122.678,32.969 122.678,32.36 122.196,31.877 121.104,30.785 120.85,30.785
no net on Bottom Layer "Top Layer-No Net 1" (solid, pour order 106): 118.487,31.674 119.427,31.674 119.859,32.106 119.554,32.41 118.919,32.41 118.589,32.41 118.462,32.283
no net on Bottom Layer "Top Layer-No Net 1" (solid, pour order 104): 115.287,30.023 117.344,32.08 117.344,32.41 116.989,32.41 116.595,32.804 115.592,31.801 115.592,31.115 115.592,31.039 115.135,30.582 115.084,30.531 115.084,30.023
no net on Bottom Layer "Top Layer-No Net 1" (solid, pour order 102): 132.686,3.404 132.686,6.248 131.238,7.696 131.111,7.823 131.111,8.077 131.67,8.077 133.905,5.842 134.718,5.029 134.718,3.378
no net on Bottom Layer "Top Layer-No Net 1" (solid, pour order 100): 130.171,3.429 130.171,6.147 129.663,6.655 129.181,7.137 129.181,7.315 130.4,7.315 131.695,6.02 132.178,5.537 132.178,3.378
no net on Bottom Layer "Top Layer-No Net 1" (solid, pour order 98): 127.631,3.48 127.631,5.334 126.717,6.248 127.022,6.553 127.2,6.553 127.86,6.553 128.597,6.553 129.333,5.817 129.638,5.512 129.638,3.429
no net on Bottom Layer "Top Layer-No Net 1" (solid, pour order 96): 20 vertices, not listed, extent 118.386,3.454 127.098,6.274
no net on Bottom Layer "Top Layer-No Net 1" (solid, pour order 94): 135.353,6.909 133.753,6.909 131.848,8.814 132.229,9.195 132.457,9.195 134.083,9.195 134.87,8.407 135.099,8.179 135.48,8.179
no net on Bottom Layer "Top Layer-No Net 1" (solid, pour order 92): 33 vertices, not listed, extent 135.226,1.676 139.138,22.657
no net on Bottom Layer "Top Layer-No Net 1" (solid, pour order 90): 135.226,11.074 135.226,13.64 134.82,14.046 133.702,15.164 133.702,15.748 133.702,16.332 133.55,16.485 133.346,16.688 133.346,17.729 135.378,17.729 135.378,15.977 136.115,15.24 137.258,14.097 137.258,10.414
no net on Bottom Layer "Top Layer-No Net 1" (solid, pour order 88): 132.737,16.18 133.118,15.799 133.118,15.392 133.118,14.707 133.473,14.351 132.838,14.986 132.559,14.986
no net on Bottom Layer "Top Layer-No Net 1" (solid, pour order 86): 132.686,10.998 132.686,14.529 132.356,14.859 132.33,14.884 132.33,15.469 130.832,16.967 130.832,17.729 132.838,17.729 132.838,15.215 133.931,14.122 134.718,13.335 134.718,11.024
no net on Bottom Layer "Top Layer-No Net 1" (solid, pour order 84): 130.146,11.049 130.146,12.878 129.968,13.056 129.46,13.564 129.46,15.037 129.46,15.215 130.298,16.053 131.111,16.053 131.441,15.723 131.873,15.291 131.873,15.265 131.873,14.757 132.076,14.554 132.178,14.453 132.178,11.074
no net on Bottom Layer "Top Layer-No Net 1" (solid, pour order 82): 17 vertices, not listed, extent 127.606,10.998 130.324,18.415
no net on Bottom Layer "Top Layer-No Net 1" (solid, pour order 80): 125.752,17.678 125.752,14.91 125.853,14.808 125.955,14.707 125.955,13.36 125.955,12.878 125.472,12.395 125.066,11.989 125.066,10.998 127.098,10.998 127.098,15.469 127.631,16.002 127.758,16.129 127.758,17.729
no net on Bottom Layer "Top Layer-No Net 1" (solid, pour order 78): 28 vertices, not listed, extent 117.446,8.611 125.549,14.681
no net on Bottom Layer "Top Layer-No Net 1" (solid, pour order 76): 122.272,15.519 123.212,16.459 123.212,17.577 125.041,17.577 125.218,17.755 125.218,16.256 124.406,15.443 124.075,15.113 123.161,15.113 122.729,15.113 122.196,14.58 121.383,13.767 120.85,13.767 120.85,13.995 120.799,14.046
no net on Bottom Layer "Top Layer-No Net 1" (solid, pour order 74): 120.672,17.704 120.672,16.078 120.215,15.621 119.605,15.011 119.605,14.656 120.494,14.656 122.196,16.358 122.678,16.84 122.678,17.78
no net on Bottom Layer "Top Layer-No Net 1" (solid, pour order 72): 117.446,15.646 118.132,16.332 118.132,17.805 120.113,17.805 120.138,17.78 120.138,16.383 119.961,16.205 119.173,15.418 117.598,15.418
no net on Bottom Layer "Top Layer-No Net 1" (solid, pour order 70): 117.598,17.729 117.598,16.383 116.582,15.367 116.151,14.935 115.668,14.935 115.643,14.961 115.643,17.78
no net on Bottom Layer "Top Layer-No Net 1" (solid, pour order 68): 118.462,2.311 117.522,2.311 115.998,3.835 111.909,7.925 111.909,8.306 111.985,8.23 112.823,8.23 113.687,8.23 114.22,7.696 116.354,5.563 117.776,5.563 118.36,5.563 119.199,4.724 119.478,4.445 119.478,3.429
no net on Bottom Layer "Top Layer-No Net 1" (solid, pour order 66): 113.687,1.524 113.001,1.524 112.874,1.651 107.057,7.468 107.057,8.128 109.191,5.994 113.407,1.778 113.788,1.778
no net on Bottom Layer "Top Layer-No Net 1" (solid, pour order 64): 119.986,3.404 119.986,2.438 119.3,1.753 119.605,1.448 120.265,1.448 121.104,1.448 121.535,1.88 122.018,2.362 122.018,3.454
no net on Bottom Layer "Top Layer-No Net 1" (solid, pour order 62): 122.526,3.454 122.526,1.829 121.942,1.245 121.688,0.991 121.332,0.991 121.332,0.965 121.612,0.686 123.263,0.686 124.482,1.905 124.558,1.981 124.558,3.454
no net on Bottom Layer "Top Layer-No Net 1" (solid, pour order 60): 105.686,19.152 105.686,20.701 106.422,21.438 107.819,21.438 108.48,22.098 108.556,22.022 108.556,21.869
no net on Bottom Layer "Top Layer-No Net 1" (solid, pour order 58): 108.433,10.033 108.785,10.033 109.115,10.363 108.734,10.744 108.734,10.77 108.404,10.77 108.099,10.465
no net on Bottom Layer "Top Layer-No Net 1" (solid, remove dead copper, pour order 56): 17 vertices, not listed, extent 107.616,10.033 109.928,20.549
no net on Bottom Layer "Top Layer-No Net 1" (solid, remove dead copper, pour order 54): 113.484,12.649 113.484,9.169 112.976,8.661 112.569,8.661 111.96,9.271 110.715,10.516 110.715,13.208 113.484,13.208
no net on Bottom Layer "Top Layer-No Net 1" (solid, remove dead copper, pour order 52): 24 vertices, not listed, extent 110.715,11.836 115.058,22.047
no net on Bottom Layer "Top Layer-No Net 1" (solid, remove dead copper, pour order 50): 131.721,30.886 132.432,30.175 132.889,30.175 132.94,30.175 133.575,29.54 133.778,29.743 134.337,29.743 134.337,29.947 132.737,31.547 132.711,31.521 131.594,31.521
no net on Bottom Layer "Top Layer-No Net 1" (solid, remove dead copper, pour order 48): 132.991,30.886 131.721,30.886 131.238,31.369 130.832,31.775 130.832,32.868 132.508,32.868 132.711,33.071 132.737,33.045 132.737,31.547 132.737,31.344 133.169,30.912
no net on Bottom Layer "Top Layer-No Net 1" (solid, remove dead copper, pour order 46): 130.654,28.194 130.654,30.886 130.324,31.217 130.298,31.242 130.298,32.868 128.393,32.868 128.317,32.944 128.317,29.997 128.597,29.718 128.622,29.693 128.622,28.169
no net on Bottom Layer "Top Layer-No Net 1" (solid, remove dead copper, pour order 44): 136.267,34.061 137.918,34.061 139.315,32.664 139.315,29.388 139.163,29.388 138.96,29.591 136.267,32.283 136.242,32.283
no net on Bottom Layer "Top Layer-No Net 1" (solid, remove dead copper, pour order 42): 110.512,31.852 110.512,30.378 111.045,29.845 111.426,29.464 111.426,31.09 111.579,31.242 111.655,31.318 111.655,32.283 110.715,32.283 110.512,32.487
no net on Bottom Layer "Top Layer-No Net 1" (solid, pour order 40): 109.978,31.572 109.978,30.734 109.724,30.48 109.623,30.378 108.505,30.378 108.505,31.318 108.962,31.775
no net on Bottom Layer "Top Layer-No Net 1" (solid, remove dead copper, pour order 38): 133.727,20.498 133.727,22.86 133.169,23.419 131.568,25.019 131.568,25.375 131.975,24.968 133.499,24.968 133.778,24.968 134.87,23.876 135.709,23.038 135.709,20.498
no net on Bottom Layer "Top Layer-No Net 1" (solid, remove dead copper, pour order 36): 131.162,20.523 131.162,23.52 129.994,24.689 129.257,25.425 129.028,25.425 129.028,25.679 129.079,25.73 129.968,25.73 131.899,23.8 133.194,22.504 133.194,20.447
no net on Bottom Layer "Top Layer-No Net 1" (solid, remove dead copper, pour order 34): 128.622,20.549 128.622,23.546 127.885,24.282 127.504,24.663 127.2,24.663 127.301,24.663 127.606,24.968 128.698,24.968 129.689,23.978 130.654,23.012 130.654,20.549
no net on Bottom Layer "Top Layer-No Net 1" (solid, remove dead copper, pour order 32): 126.082,20.549 126.082,23.089 125.32,23.851 125.269,23.901 125.269,24.206 126.869,24.206 127.835,23.241 128.114,22.962 128.114,20.625
no net on Bottom Layer "Top Layer-No Net 1" (solid, remove dead copper, pour order 30): 123.542,20.523 123.542,22.301 123.034,22.809 122.577,23.266 122.272,23.266 122.348,23.266 122.526,23.444 124.609,23.444 125.142,22.911 125.574,22.479 125.574,20.599
no net on Bottom Layer "Top Layer-No Net 1" (solid, remove dead copper, pour order 28): 121.027,20.599 121.027,21.692 120.367,22.352 120.672,22.657 120.697,22.657 121.993,22.657 122.678,21.971 123.034,21.615 123.034,20.701
no net on Bottom Layer "Top Layer-No Net 1" (solid, remove dead copper, pour order 26): 119.605,19.456 118.64,19.456 118.03,20.066 117.7,20.396 116.659,20.396 116.074,20.396 114.804,21.666 114.931,21.793 119.3,21.793 119.808,21.793 120.215,21.387 120.088,21.26 120.088,20.218
no net on Bottom Layer "Top Layer-No Net 1" (solid, remove dead copper, pour order 24): 110.842,14.199 110.766,14.122 110.486,14.122 110.512,14.148 110.512,15.011 111.299,15.011 111.553,15.265
no net on Bottom Layer "Top Layer-No Net 1" (solid, remove dead copper, pour order 22): 112.518,17.836 112.518,15.748 111.477,14.707 111.375,14.605 110.817,14.605 110.664,14.453 110.207,13.995 110.207,13.97 110.512,14.275 110.512,15.342 110.512,17.602 110.867,17.958
no net on Bottom Layer "Top Layer-No Net 1" (solid, remove dead copper, pour order 20): 112.518,17.653 112.518,18.72 111.401,19.837 111.274,19.964 111.274,21.387 111.274,21.869 112.137,22.733 111.985,22.885 111.883,22.885 111.604,22.885 110.486,21.768 110.512,21.742 110.512,17.729
no net on Bottom Layer "Top Layer-No Net 1" (solid, remove dead copper, pour order 18): 111.299,23.165 111.655,23.52 114.296,23.52 114.296,23.901 113.712,24.486 113.433,24.765 111.68,24.765 111.68,24.587 111.096,24.003
no net on Bottom Layer "Top Layer-No Net 1" (solid, remove dead copper, pour order 16): 23 vertices, not listed, extent 108.226,22.301 110.664,29.845
no net on Bottom Layer "Top Layer-No Net 1" (solid, remove dead copper, pour order 14): 24 vertices, not listed, extent 105.686,22.123 109.978,34.061
no net on Bottom Layer "Top Layer-No Net 1" (solid, remove dead copper, pour order 12): 26 vertices, not listed, extent 110.512,22.276 116.252,32.944
no net on Bottom Layer "Top Layer-No Net 1" (solid, remove dead copper, pour order 10): 19 vertices, not listed, extent 112.264,25.756 114.855,33.172
no net on Bottom Layer "Top Layer-No Net 1" (solid, remove dead copper, pour order 8): 26 vertices, not listed, extent 118.411,27.076 126.311,31.344
no net on Bottom Layer "Top Layer-No Net 1" (solid, remove dead copper, pour order 6): 18 vertices, not listed, extent 133.702,28.829 138.122,32.969
no net on Bottom Layer "Top Layer-No Net 1" (solid, remove dead copper, pour order 4): 131.213,27.94 131.213,27.127 132.457,25.883 132.483,25.857 134.54,25.857 134.54,26.238 134.489,26.289 133.804,26.289 133.321,26.772 133.169,26.924 133.169,28.245 131.772,28.245 131.619,28.397
no net on Bottom Layer "Top Layer-No Net 1" (solid, remove dead copper, pour order 2): 126.946,31.267 126.057,32.156 126.057,32.918 127.657,32.918 127.758,33.02 127.758,29.489 127.835,29.413 128.114,29.134 128.114,28.143 127.581,28.143 126.971,28.753 126.844,28.88 126.844,29.997 126.844,30.15 127.022,30.328